# Altium PCB Mirny.PcbDoc (part 4 of 8)
Units mm, origin at the board's own origin, x right, y up, seen from the top; angles counter-clockwise.
Board outline 161.99 x 100.04 mm, 6 copper layers (L1, P2, L3, L4, P5, L6), stack 1.56 mm thick; 832 components, 485 nets, 2438 pads, 1482 vias.
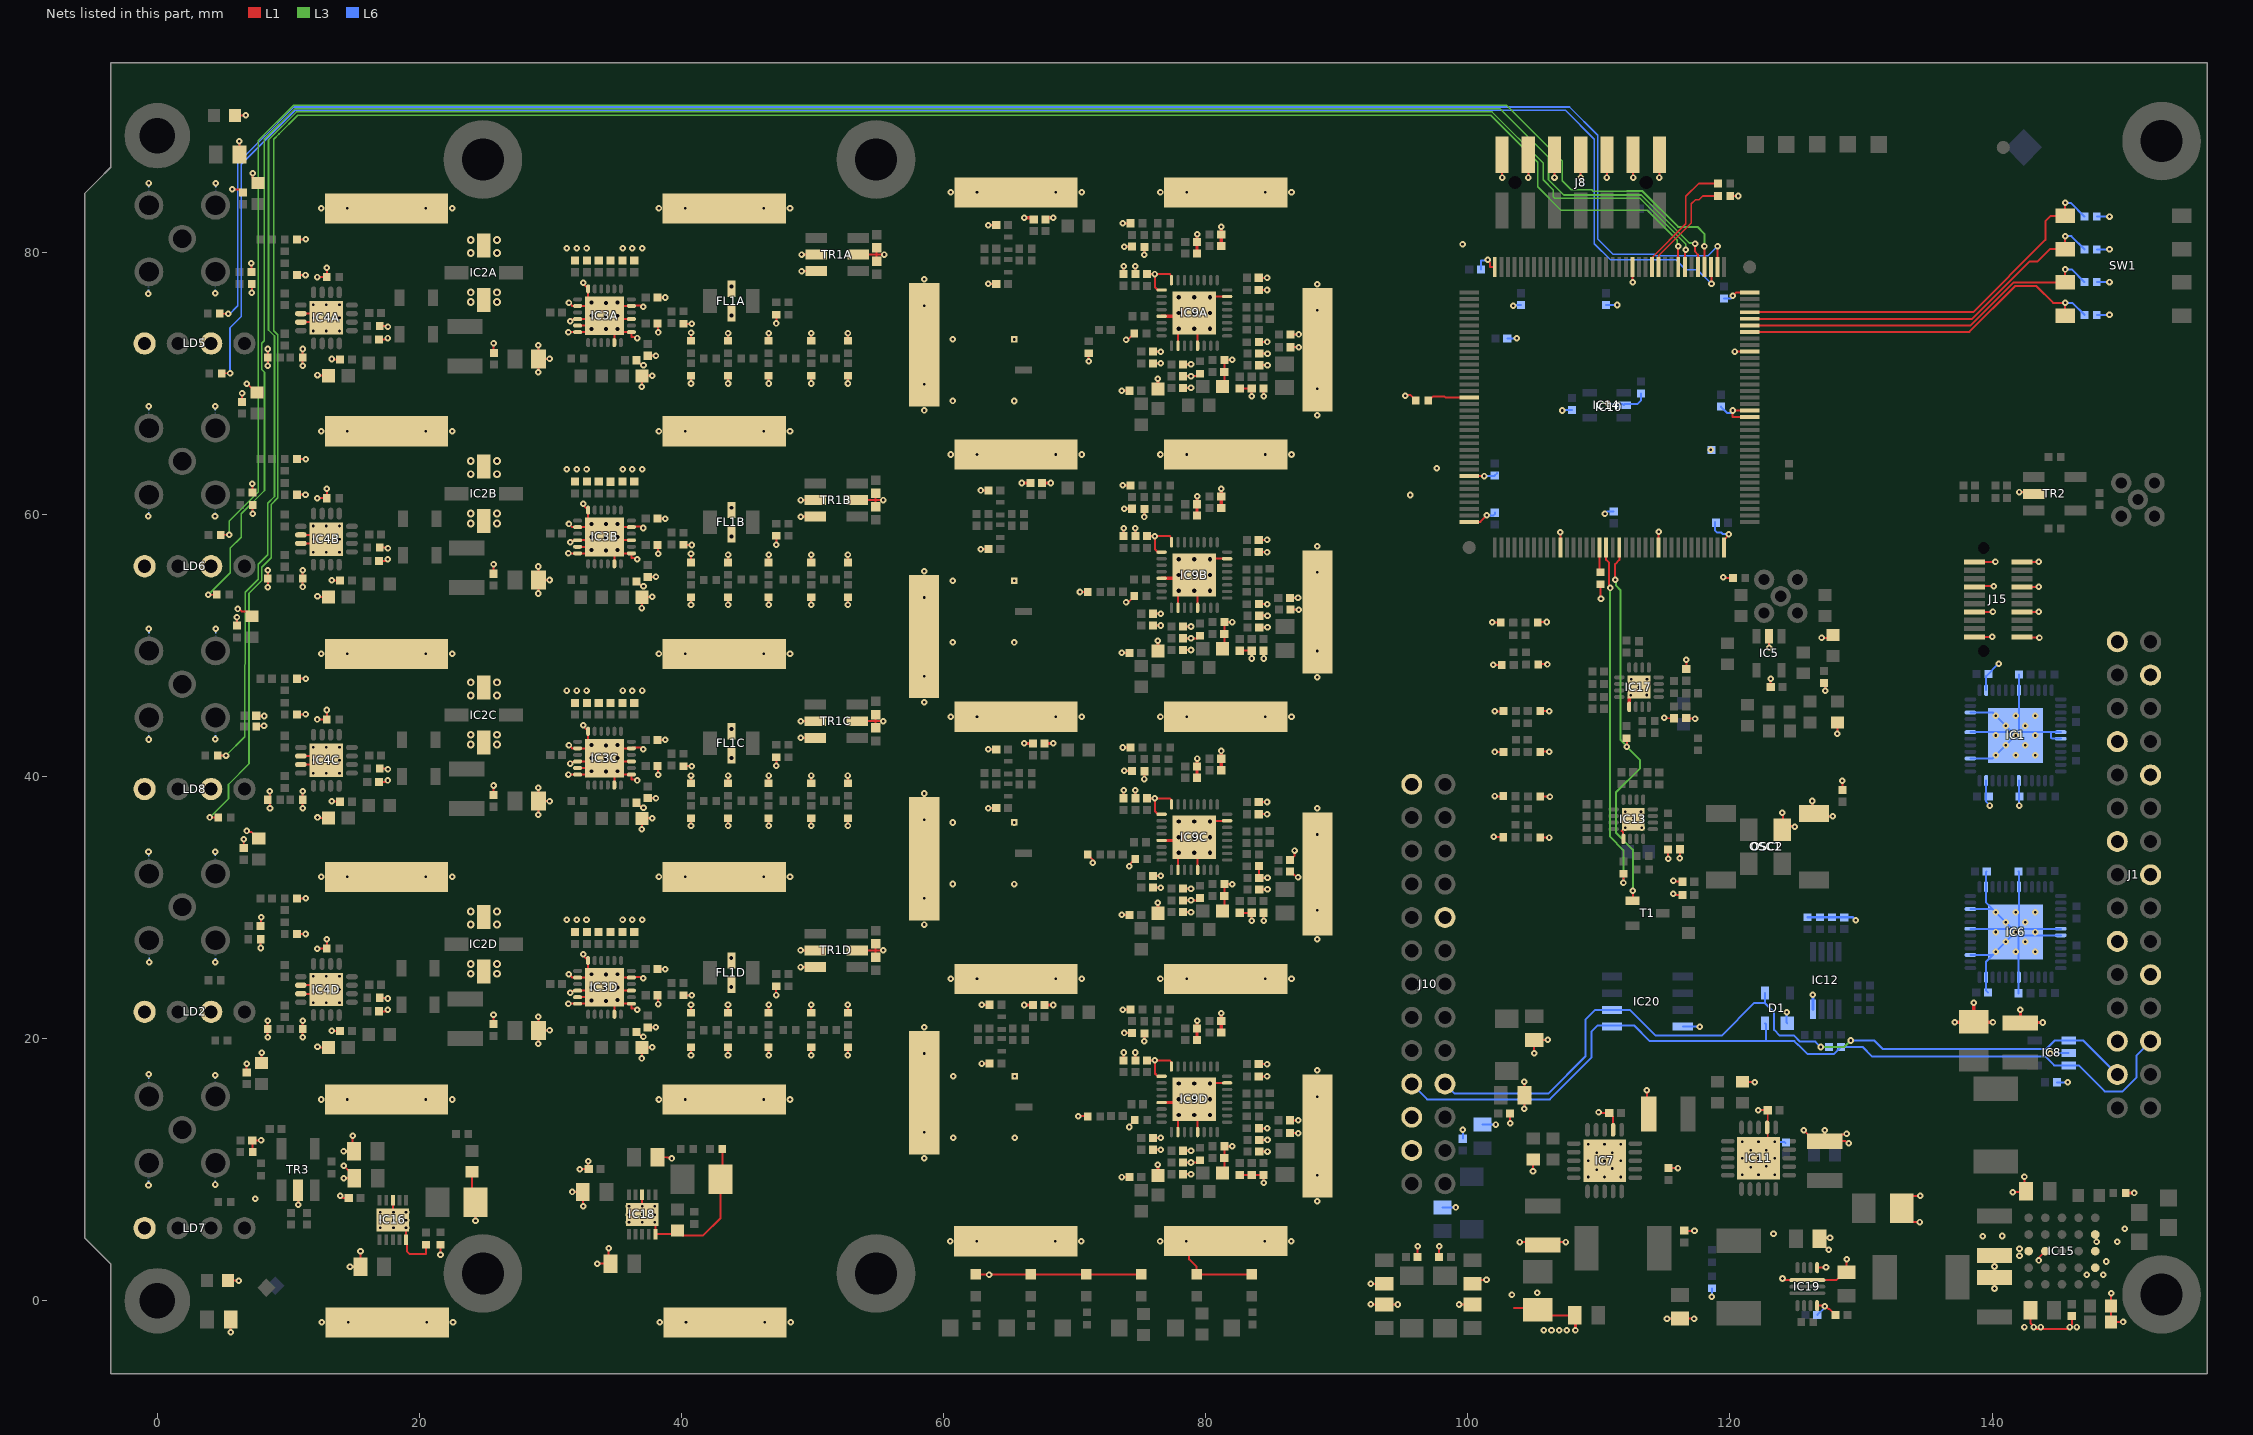
[diagram p8: the nets of this part, all layers, seen from the top]

## Via types
v1: diameter 0.5, hole 0.2, L1 to L6, tented both sides, 1370 vias
v2: diameter 0.6, hole 0.3, L1 to L6, tented both sides, 76 vias
v3: diameter 0.66, hole 0.33, L1 to L6, tented both sides, 36 vias

## Nets (pads, with @x,y where several pads share a name; then routed paths per layer and width w, separated by ;. In a path a pad name is that pad's centre, name@x,y a point inside that pad or via, vN(x,y) a via of type N, cw(c..) or ccw(c..) an arc to the next point about the centre after c; other vN are vias at no path point) (continued)
GND: C1A.1 C1B.1 C1C.1 C1D.1 C2.1 C3.1 C4.1 C5.1 C6.1 C7.1 C8.1 C9.1 C10.1 C11.2 C12A.1 C12B.1 C12C.1 C12D.1 C16A.1 C16B.1 C16C.1 C16D.1 C17A.1 C17B.1 C17C.1 C17D.1 C18A.1 C18B.1 C18C.1 C18D.1 C19A.1 C19B.1 C19C.1 C19D.1 C20A.1 C20B.1 C20C.1 C20D.1 C21A.1 C21B.1 C21C.1 C21D.1 C22A.1 C22B.1 C22C.1 C22D.1 C23A.1 C23B.1 C23C.1 C23D.1 C24A.1 C24B.1 C24C.1 C24D.1 C25.1 C26A.1 C26B.1 C26C.1 C26D.1 C28A.1 C28B.1 C28C.1 C28D.1 C29A.1 C29B.1 C29C.1 C29D.1 C30A.1 C30B.1 C30C.1 C30D.1 C31.2 C32.1 C33.2 C34.1 C35.2 C36A.1 C36B.1 C36C.1 C36D.1 C37A.1 C37B.1 C37C.1 C37D.1 C38A.1 C38B.1 C38C.1 C38D.1 C39A.1 C39B.1 C39C.1 C39D.1 C40A.1 C40B.1 C40C.1 C40D.1 C41.1 C42A.1 C42B.1 C42C.1 C42D.1 C43A.1 C43B.1 C43C.1 C43D.1 C44A.1 C44B.1 C44C.1 C44D.1 C45A.1 C45B.1 C45C.1 C45D.1 C46A.1 C46B.1 C46C.1 C46D.1 C48.1 C50A.2 C50B.2 C50C.2 C50D.2 C51A.2 C51B.2 C51C.2 C51D.2 C52A.1 C52B.1 C52C.1 C52D.1 C53A.1 C53B.1 C53C.1 C53D.1 C54A.1 C54B.1 C54C.1 C54D.1 C55A.1 C55B.1 C55C.1 C55D.1 C56A.1 C56B.1 C56C.1 C56D.1 C57A.1 C57B.1 C57C.1 C57D.1 C58A.1 C58B.1 C58C.1 C58D.1 C59A.1 C59B.1 C59C.1 C59D.1 C60A.1 C60B.1 C60C.1 C60D.1 C63.2 C64.1 C66A.1 C66B.1 C66C.1 C66D.1 C67.1 C68A.1 C68B.1 C68C.1 C68D.1 C69A.1 C69B.1 C69C.1 C69D.1 C70.1 C71A.1 C71B.1 C71C.1 C71D.1 C73.1 C74.2 C75.1 C76.1 C77.1 C78.1 C79.1 C82.2 C83A.1 C83B.1 C83C.1 C83D.1 C84A.1 C84B.1 C84C.1 C84D.1 C92.1 C94.1 C95.1 C96.1 C97.1 C98.1 C100.1 C101.1 C102.1 C103.1 C104.1 C105.1 C106.1 C107.1 C110.1 C111.1 C112.1 C117.2 C118.1 C119.2 C120.2 C123.1 C124.1 C125.1 C126.1 C127.2 C128A.1 C128B.1 C128C.1 C128D.1 C129A.1 C129B.1 C129C.1 C129D.1 C130A.1 C130B.1 C130C.1 C130D.1 C131A.1 C131B.1 C131C.1 C131D.1 C132.1 C133.1 C134.1 C138A.1 C138B.1 C138C.1 C138D.1 C139A.1 C139B.1 C139C.1 C139D.1 C140A.1 C140B.1 C140C.1 C140D.1 C141A.1 C141B.1 C141C.1 C141D.1 C142A.1 C142B.1 C142C.1 C142D.1 C143A.1 C143B.1 C143C.1 C143D.1 C144.2 C145.2 C146.2 C147.1 C148.2 C149.2 C150.2 C151.2 C152.1 C153.1 C154.1 C155.2 C156.2 C157.1 C158.1 C160.2 C165.1 C166.1 C183.1 C184.1 C185.1 C186.1 C187.1 C188.1 C192.1 C193.1 C197.1 C198.1 C199.1 C200.1 C201.1 CLIP1.1 CLIP2.1 CLIP3.1 CLIP4.1 CLIP5.1 CLIP6.1 CLIP7.1 CLIP8.1 CLIP9.1 CLIP10.1 CLIP11.1 CLIP12.1 CLIP13.1 CLIP14.1 CLIP15.1 CLIP16.1 CLIP17.1 CLIP18.1 CLIP19.1 CLIP20.1 CLIP21.1 CLIP22.1 CLIP23.1 CLIP24.1 CLIP25.1 CLIP26.1 CLIP27.1 CLIP28.1 CLIP29.1 CLIP30.1 D1.1 FL1A.2 FL1A.4 FL1B.2 FL1B.4 FL1C.2 FL1C.4 FL1D.2 FL1D.4 IC1.6 IC1.7 IC1.18 IC1.23 IC1.27 IC1.31 IC1.34 IC1.38 IC1.43 IC1.49 IC2A.2 IC2A.4 IC2B.2 IC2B.4 IC2C.2 IC2C.4 IC2D.2 IC2D.4 IC3A.1 IC3A.3 IC3A.5 IC3A.12 IC3A.14 IC3A.16 IC3A.17 IC3A.18 IC3A.23 IC3A.25 IC3B.1 IC3B.3 IC3B.5 IC3B.12 IC3B.14 IC3B.16 IC3B.17 IC3B.18 IC3B.23 IC3B.25 IC3C.1 IC3C.3 IC3C.5 IC3C.12 IC3C.14 IC3C.16 IC3C.17 IC3C.18 IC3C.23 IC3C.25 IC3D.1 IC3D.3 IC3D.5 IC3D.12 IC3D.14 IC3D.16 IC3D.17 IC3D.18 IC3D.23 IC3D.25 IC4A.10 IC4A.11 IC4A.17 IC4B.10 IC4B.11 IC4B.17 IC4C.10 IC4C.11 IC4C.17 IC4D.10 IC4D.11 IC4D.17 IC5.2 IC6.6 IC6.7 IC6.18 IC6.23 IC6.27 IC6.31 IC6.34 IC6.38 IC6.43 IC6.49 IC7.12 IC7.21 IC8.2 IC9A.8 IC9A.9 IC9A.13 IC9A.18 IC9A.21 IC9A.31 IC9A.33 IC9B.8 IC9B.9 IC9B.13 IC9B.18 IC9B.21 IC9B.31 IC9B.33 IC9C.8 IC9C.9 IC9C.13 IC9C.18 IC9C.21 IC9C.31 IC9C.33 IC9D.8 IC9D.9 IC9D.13 IC9D.18 IC9D.21 IC9D.31 IC9D.33 IC10.29 IC10.36 IC10.47 IC10.62 IC10.72 IC10.89 IC10.90 IC10.99 IC10.108 IC10.123 IC10.144 IC11.12 IC11.21 IC12.4 IC13.1 IC13.17 IC14.2 IC15.B5 IC15.C1 IC15.C2 IC15.C5 IC15.D5 IC16.5 IC16.8 IC16.11 IC17.1 IC17.17 IC18.5 IC18.8 IC18.11 IC19.3 IC19.4 IC19.11 IC20.4 J1.1 J1.4 J1.7 J1.10 J1.13 J1.16 J1.19 J1.22 J1.25 J8.1 J8.3 J8.5 J8.7 J8.9 J8.11 J8.13 J9.2 J10.1 J10.10 J10.21 J10.23 J11.2 J12.2 J13.2 J15.1 J15.2 J15.7 J15.8 J15.13 J15.14 J15.19 J15.20 LD2.1 LD2.3 LD3.1 LD4.1 LD5.1 LD5.3 LD6.1 LD6.3 LD7.1 LD8.1 LD8.3 LD9.1 LD10.1 LD11.1 LD12.1 NT1.2 NT2.2 NT3.2 NT4.2 NT5.2 NT6.2 NT7.2 NT8.2 NT9.2 NT10.2 NT11.2 NT12.2 NT13.2 NT14.2 NT15.2 NT16.2 NT17.2 NT18.2 NT19.2 NT20.2 OSC1.2 OSC2.2 R5.1 R15A.2 R15B.2 R15C.2 R15D.2 R19A.1 R19B.1 R19C.1 R19D.1 R20A.1 R20B.1 R20C.1 R20D.1 R22A.1 R22B.1 R22C.1 R22D.1 R31A.1 R31B.1 R31C.1 R31D.1 R32A.1 R32B.1 R32C.1 R32D.1 R39A.1 R39B.1 R39C.1 R39D.1 R40A.1 R40B.1 R40C.1 R40D.1 R41A.1 R41B.1 R41C.1 R41D.1 R42A.1 R42B.1 R42C.1 R42D.1 R45A.1 R45B.1 R45C.1 R45D.1 R48A.1 R48B.1 R48C.1 R48D.1 R49A.2 R49B.2 R49C.2 R49D.2 R52A.1 R52B.1 R52C.1 R52D.1 R54A.1 R54B.1 R54C.1 R54D.1 R55.2 R56A.1 R56B.1 R56C.1 R56D.1 R57A.2 R57B.2 R57C.2 R57D.2 R58A.1 R58B.1 R58C.1 R58D.1 R59A.1 R59B.1 R59C.1 R59D.1 R60.2 R63.1 R64.2 R65.2 R68A.2 R68B.2 R68C.2 R68D.2 R74.2 R75.2 R76.2 R80.1 R82.2 R83.2 R85.2 R86.2 R92.1 R93.1 R94.1 R95.1 R96.2 R97.1 R98.1 R100.1 R103A.2 R103B.2 R103C.2 R103D.2 R104.1 R105.1 R106.1 R107.2 R111.2 R117.1 R119.1 R126.1 R127.1 R128.1 R129.1 R131.1 R132.1 R136.1 R137.2 R138.1 R140.1 R141.1 R142.1 R145.1 R157.1 R159.1 R161.1 R163.1 R165.1 R167.1 TR1A.1 TR1A.2 TR1A.5 TR1B.1 TR1B.2 TR1B.5 TR1C.1 TR1C.2 TR1C.5 TR1D.1 TR1D.2 TR1D.5 TR2.2 TR3.2 | length 692.7
  L1 w0.152: R137.2@5.429,1.544 v1(6.213,1.544) ; v1(5.598,-2.393) C145.2@5.598,-1.428 5.623,-1.402 C145.2@5.598,-1.377 ; v1(5.707,84.808) 6.302,84.808 C25.1@6.535,84.575 ; R96.2@5.957,90.462 v1(6.741,90.462) ; v1(6.077,52.155) 6.077,51.533 C34.1@6.089,51.521 ; v1(6.148,52.792) 6.242,52.792 6.429,52.605 6.857,52.605 R95.1@7.231,52.231 ; C144.2@6.263,87.472 6.288,87.498 6.263,87.523 v1(6.263,88.488) ; C32.1@6.465,68.596 v1(6.465,69.263) ; C41.1@6.595,34.557 v1(6.595,35.225) ; v1(6.819,35.852) 6.885,35.786 7.168,35.786 7.687,35.267 R97.1@7.737,35.267 ; C82.2@6.82,17.43 v1(6.82,18.097) ; v1(6.837,69.984) 6.879,69.984 7.557,69.306 R94.1@7.607,69.306 ; C11.2@7.174,78.508 v1(7.174,79.175) ; v1(7.209,76.918) R64.2@7.209,77.585 ; C31.2@7.252,61.688 v1(7.252,62.355) ; R60.2@7.27,11.362 7.27,12.216 C76.1@7.247,12.238 v1(7.915,12.238) ; v1(7.269,60.046) R65.2@7.269,60.713 ; v1(7.271,86.038) 7.271,85.659 7.645,85.285 R93.1@7.676,85.285 ; C33.2@7.549,44.643 7.568,44.624 v1(8.148,44.624) ; R74.2@7.551,43.834 7.582,43.865 v1(8.142,43.865) ; C35.2@7.875,28.59 7.92,28.635 v1(7.92,29.255) ; v1(7.881,26.919) R75.2@7.881,27.587 ; R92.1@7.961,18.14 v1(7.961,18.924) ; v1(8.426,20.104) R57D.2@8.426,20.743 v1(8.426,21.382) ; v1(8.428,55.748) R57B.2@8.428,55.11 8.428,54.471 v1(8.441,54.458) ; v1(8.428,71.351) R57A.2@8.428,71.989 v1(8.428,72.628) ; v1(8.59,38.891) 8.59,38.393 R57C.2@8.428,38.231 8.597,38.062 v1(8.597,37.578) ; R52B.1@10.661,61.51 v1(11.309,61.51) ; R54B.1@10.661,64.228 v1(11.334,64.228) ; R52A.1@10.661,78.27 v1(11.309,78.27) ; R54A.1@10.661,80.988 v1(11.334,80.988) ; R52D.1@10.662,27.99 v1(11.31,27.99) ; R54D.1@10.662,30.708 v1(11.335,30.708) ; R52C.1@10.662,44.75 v1(11.309,44.75) ; R54C.1@10.662,47.468 v1(11.335,47.468) ; v1(10.76,7.323) TR3.2@10.76,8.435 ; IC4D.11@10.95,23.429 12.575,23.429 v1(12.9,23.754) 12.575,24.079 IC4D.10@10.95,24.079 ; IC4C.11@10.952,40.916 12.577,40.916 v1(12.902,41.241) 12.577,41.566 IC4C.10@10.952,41.566 ; IC4B.11@10.952,57.795 12.577,57.795 v1(12.902,58.12) 12.577,58.445 IC4B.10@10.952,58.445 ; IC4A.11@10.952,74.675 12.577,74.675 v1(12.902,75) 12.577,75.325 IC4A.10@10.952,75.325 ; v1(11.091,20.104) R58D.1@11.091,20.743 v1(11.091,21.382) ; v1(11.093,37.592) R58C.1@11.093,38.231 v1(11.093,38.869) ; v1(11.093,54.471) R58B.1@11.093,55.11 v1(11.093,55.748) ; v1(11.093,71.351) R58A.1@11.093,71.989 v1(11.093,72.628) ; v1(12.215,26.873) R56D.1@12.935,26.873 v1(12.935,27.593) ; v1(12.217,44.36) R56C.1@12.937,44.36 v1(12.937,45.08) ; v1(12.217,61.239) R56B.1@12.937,61.239 v1(12.937,61.959) ; v1(12.217,78.119) R56A.1@12.937,78.119 v1(12.937,78.839) ; v1(12.221,19.393) 12.271,19.343 C52D.1@13.071,19.343 ; v1(12.223,36.881) 12.273,36.831 C52C.1@13.073,36.831 ; v1(12.223,53.76) 12.273,53.71 C52B.1@13.073,53.71 ; v1(12.223,70.639) 12.273,70.589 C52A.1@13.073,70.589 ; v1(13.296,20.618) 13.271,20.593 C53D.1@13.946,20.593 ; v1(13.298,38.106) 13.273,38.081 C53C.1@13.948,38.081 ; v1(13.298,54.985) 13.273,54.96 C53B.1@13.948,54.96 ; v1(13.298,71.864) 13.273,71.839 C53A.1@13.948,71.839 ; v1(13.969,8.018) 14.144,7.843 C79.1@14.604,7.843 ; v1(14.21,11.408) C119.2@15.01,11.408 14.9,11.518 v1(14.9,12.589) ; v1(14.221,9.361) C120.2@15.021,9.361 15.021,9.536 14.572,9.985 14.547,9.985 v1(14.221,10.311) ; v1(14.703,2.603) C117.2@15.503,2.603 v1(15.503,3.775) ; C51D.2@16.921,22.093 v1@17.47,22.093 ; C51C.2@16.923,39.581 v1@17.472,39.581 ; C51B.2@16.923,56.46 v1@17.472,56.46 ; C51A.2@16.923,73.339 v1@17.472,73.339 ; R59D.1@16.97,23.123 17.541,23.123 v1(17.596,23.068) ; R59C.1@16.972,40.611 17.542,40.611 v1(17.598,40.556) ; R59B.1@16.972,57.49 17.542,57.49 v1(17.598,57.435) ; R59A.1@16.972,74.37 17.542,74.37 v1(17.598,74.314) ; IC16.11@17.97,6.175 IC16.8@17.97,7.675 ; IC16.11@18.171,6.175 IC16.11@18.879,5.466 ; IC16.11@18.97,5.376 IC16.5@18.97,4.675 19.045,4.599 19.045,3.775 19.267,3.553 20.474,3.553 20.497,3.576 R104.1@20.497,4.274 ; v1(21.607,3.511) R105.1@21.608,4.286 ; R106.1@23.998,9.84 23.998,7.815 C146.2@24.28,7.534 v1(24.28,6.095) ; C43D.1@25.653,21.109 v1(25.653,21.834) ; C43C.1@25.655,38.597 v1(25.655,39.322) ; C43B.1@25.655,55.476 v1(25.655,56.201) ; v1(25.655,73.08) 25.655,72.355 C43A.1@25.68,72.33 ; C42D.1@29.078,20.634 v1(29.928,20.634) ; C42C.1@29.08,38.122 v1(29.93,38.122) ; C42B.1@29.08,55.001 v1(29.93,55.001) ; C42A.1@29.08,71.88 v1(29.93,71.88) ; v1@31.331,23.558 v1@31.346,23.543 ; v1@31.333,41.046 v1@31.348,41.031 ; v1@31.333,57.925 v1@31.348,57.91 ; v1@31.333,74.804 v1@31.348,74.789 ; v1(31.371,22.668) IC3D.18@32.071,22.668 32.871,22.668 v2(33.121,22.918) IC3D.25@33.371,23.168 ; v1(31.373,40.156) IC3C.18@32.073,40.156 32.873,40.156 v2(33.123,40.406) IC3C.25@33.373,40.656 ; v1(31.373,57.035) IC3B.18@32.073,57.035 IC3B.25@32.873,57.035 ; v1(31.373,73.914) IC3A.18@32.073,73.914 32.873,73.914 v2(33.123,74.164) IC3A.25@33.373,74.414 ; v1(31.408,24.91) 31.65,24.668 IC3D.14@32.071,24.668 32.633,24.668 ; v1(31.41,42.398) 31.652,42.156 IC3C.14@32.073,42.156 32.635,42.156 ; v1(31.41,59.277) 31.652,59.035 IC3B.14@32.073,59.035 32.635,59.035 ; v1(31.41,76.157) 31.652,75.914 IC3A.14@32.073,75.914 32.635,75.914 ; v1(31.495,23.508) 31.381,23.508 v1@31.346,23.543 ; v1(31.497,40.995) 31.383,40.995 v1@31.348,41.031 ; v1(31.497,57.874) 31.383,57.874 v1@31.348,57.91 ; v1(31.497,74.754) 31.383,74.754 v1@31.348,74.789 ; v1(31.671,8.306) C150.2@32.471,8.306 32.527,8.25 32.496,8.219 v1(32.496,7.212) ; IC3B.16@32.048,58.01 31.448,58.01 v1@31.348,57.91 ; IC3D.17@32.071,23.168 IC3D.25@33.371,23.168 ; IC3C.17@32.073,40.656 IC3C.25@33.373,40.656 ; IC3B.17@32.073,57.535 IC3B.25@33.373,57.535 ; IC3B.16@32.073,58.035 IC3B.25@33.273,58.035 ; IC3A.17@32.073,74.414 IC3A.25@33.373,74.414 ; v1(32.246,10.046) C147.1@32.921,10.046 32.871,10.095 v1(32.871,10.642) ; v1(32.496,26.443) 32.496,26.343 IC3D.12@32.871,25.968 32.871,25.168 v2(33.121,24.918) IC3D.25@34.121,23.918 IC3D.25@34.146,23.893 ; v1(32.498,43.931) 32.498,43.831 IC3C.12@32.873,43.456 32.873,42.656 v2(33.123,42.406) IC3C.25@34.123,41.406 IC3C.25@34.148,41.38 ; v1(32.498,60.81) 32.498,60.71 IC3B.12@32.873,60.335 32.873,59.535 v2(33.123,59.285) IC3B.25@34.123,58.285 IC3B.25@34.148,58.259 ; v1(32.498,77.689) 32.498,77.589 IC3A.12@32.873,77.214 32.873,76.414 v2(33.123,76.164) IC3A.25@34.123,75.164 IC3A.25@34.148,75.139 ; IC3B.25@32.648,58.01 33.248,58.01 IC3B.25@33.273,58.035 ; IC3B.25@32.852,59.035 IC3B.25@33.273,59.035 ; IC3B.25@33.273,57.035 IC3B.25@32.873,57.035 ; v1(33.578,2.832) C148.2@34.586,2.832 34.436,2.982 v1(34.436,4.006) ; IC3D.23@34.871,21.868 34.871,23.168 34.221,23.818 v2(34.221,23.893) ; IC3C.23@34.873,39.356 34.873,40.656 34.223,41.306 v2(34.223,41.38) ; IC3B.23@34.873,56.235 34.873,57.535 34.223,58.185 v2(34.223,58.259) ; IC3A.23@34.873,73.114 34.873,74.414 34.223,75.064 v2(34.223,75.139) ; 35.609,22.668 IC3D.1@36.171,22.668 36.171,22.306 36.533,22.306 v1(36.621,22.218) ; 35.609,23.668 IC3D.3@36.171,23.668 ; 35.611,40.156 IC3C.1@36.173,40.156 36.173,39.793 36.535,39.793 v1(36.623,39.706) ; 35.611,41.156 IC3C.3@36.173,41.156 ; 35.611,57.035 IC3B.1@36.173,57.035 36.173,56.672 36.535,56.672 v1(36.623,56.585) ; 35.611,58.035 IC3B.3@36.173,58.035 ; 35.611,73.914 IC3A.1@36.173,73.914 36.173,73.552 36.535,73.552 v1(36.623,73.464) ; 35.611,74.914 IC3A.3@36.173,74.914 ; C69D.1@36.571,20.518 36.596,20.518 v1@36.971,20.143 ; C69C.1@36.573,38.006 36.598,38.006 v1@36.973,37.631 ; C69B.1@36.573,54.885 36.598,54.885 v1@36.973,54.51 ; C69A.1@36.573,71.764 36.598,71.764 v1@36.973,71.389 ; v1(36.971,18.493) C66D.1@36.971,19.318 36.996,19.343 v1(37.771,19.343) ; v1(36.973,35.981) C66C.1@36.973,36.806 36.998,36.831 v1(37.773,36.831) ; v1(36.973,52.86) C66B.1@36.973,53.685 36.998,53.71 v1(37.773,53.71) ; v1(36.973,69.739) C66A.1@36.973,70.564 36.998,70.589 v1(37.773,70.589) ; IC18.8@37,8.097 v1(37,6.597) 37.201,6.597 38,5.798 IC18.5@38,5.097 39.418,5.097 R132.1@39.696,5.375 40.074,4.997 41.657,4.997 42.975,6.315 C151.2@42.975,9.261 43.111,9.396 R131.1@43.111,11.591 ; v1@37.022,20.092 v1@36.971,20.143 ; v1@37.024,37.579 v1@36.973,37.631 ; v1@37.024,54.458 v1@36.973,54.51 ; v1@37.024,71.338 v1@36.973,71.389 ; v1(37.065,24.6) 36.947,24.718 36.221,24.718 IC3D.5@36.171,24.668 34.871,24.668 34.221,24.018 v2(34.221,23.893) ; v1(37.067,42.088) 36.949,42.206 36.223,42.206 IC3C.5@36.173,42.156 34.873,42.156 34.223,41.505 v2(34.223,41.38) ; v1(37.067,58.967) 36.949,59.085 36.223,59.085 IC3B.5@36.173,59.035 34.873,59.035 34.223,58.384 v2(34.223,58.259) ; v1(37.067,75.847) 36.949,75.964 36.223,75.964 IC3A.5@36.173,75.914 34.873,75.914 34.223,75.264 v2(34.223,75.139) ; v1(37.096,20.143) v1@36.971,20.143 ; v1(37.098,37.631) v1@36.973,37.631 ; v1(37.098,54.51) v1@36.973,54.51 ; v1(37.098,71.389) v1@36.973,71.389 ; C68D.1@37.421,20.868 v1(38.046,20.868) ; C68C.1@37.423,38.356 v1(38.048,38.356) ; C68B.1@37.423,55.235 v1(38.048,55.235) ; C68A.1@37.423,72.114 v1(38.048,72.114) ; C149.2@38.171,10.954 38.896,10.954 38.922,10.927 39.184,10.927 v1(39.251,10.861) ; C71D.1@38.171,23.318 38.221,23.268 v1(38.221,22.643) ; C54D.1@38.171,25.318 38.753,25.318 v1(38.759,25.311) ; C71C.1@38.173,40.806 38.223,40.756 v1(38.223,40.131) ; C54C.1@38.173,42.806 38.755,42.806 v1(38.761,42.799) ; C71B.1@38.173,57.685 38.223,57.635 v1(38.223,57.01) ; C54B.1@38.173,59.685 38.755,59.685 v1(38.761,59.678) ; C71A.1@38.173,74.564 38.223,74.514 v1(38.223,73.889) ; C54A.1@38.173,76.564 38.755,76.564 v1(38.761,76.557) ; R48D.1@40.191,23.318 40.204,23.305 v1(40.766,23.305) ; R48C.1@40.193,40.806 40.206,40.792 v1(40.768,40.792) ; R48B.1@40.193,57.685 40.206,57.671 v1(40.768,57.671) ; R48A.1@40.193,74.564 40.206,74.551 v1(40.768,74.551) ; v1(40.721,18.75) R45D.1@40.721,19.343 ; R32D.1@40.721,21.993 v1(40.721,22.586) ; v1(40.723,36.238) R45C.1@40.723,36.83 ; R32C.1@40.723,39.488 v1(40.723,40.081) ; v1(40.723,53.117) R45B.1@40.723,53.709 ; v1(40.723,69.996) R45A.1@40.723,70.589 ; R32B.1@40.725,56.407 v1(40.725,57) ; R32A.1@40.726,73.264 v1(40.726,73.857) ; v1(43.546,18.75) R42D.1@43.546,19.343 ; R31D.1@43.546,21.993 v1(43.546,22.586) ; v1(43.548,36.238) R42C.1@43.548,36.83 ; R31C.1@43.548,39.488 v1(43.548,40.081) ; v1(43.548,53.117) R42B.1@43.548,53.709 ; R31B.1@43.548,56.335 v1(43.548,56.927) ; v1(43.548,69.996) R42A.1@43.548,70.589 ; R31A.1@43.548,73.247 v1(43.548,73.84) ; v1(46.646,18.75) R41D.1@46.646,19.343 ; R22D.1@46.646,21.993 v1(46.646,22.586) ; v1(46.648,36.238) R41C.1@46.648,36.83 ; R22C.1@46.648,39.488 v1(46.648,40.081) ; v1(46.648,53.117) R41B.1@46.648,53.709 ; R22B.1@46.648,56.335 v1(46.648,56.927) ; v1(46.648,69.996) R41A.1@46.648,70.589 ; R22A.1@46.648,73.247 v1(46.648,73.84) ; v1(47.218,23.33) 47.227,23.339 R49D.2@47.227,23.92 ; v1(47.22,40.818) 47.229,40.827 R49C.2@47.229,41.408 ; v1(47.22,74.576) 47.229,74.586 R49A.2@47.229,75.166 ; v1@47.229,57.706 R49B.2@47.229,58.287 ; v1(49.082,25.466) TR1D.1@50.215,25.466 ; v1(49.082,26.736) TR1D.2@50.215,26.736 ; v1(49.084,42.954) TR1C.1@50.217,42.954 ; v1(49.084,44.224) TR1C.2@50.217,44.224 ; v1(49.084,59.833) TR1B.1@50.217,59.833 ; v1(49.084,61.103) TR1B.2@50.217,61.103 ; v1(49.158,78.564) TR1A.1@50.291,78.564 ; v1(49.158,79.834) TR1A.2@50.291,79.834 ; v1(49.896,18.75) R40D.1@49.896,19.343 ; R20D.1@49.896,21.993 v1(49.896,22.586) ; v1(49.898,36.238) R40C.1@49.898,36.83 ; R20C.1@49.898,39.488 v1(49.898,40.081) ; v1(49.898,53.117) R40B.1@49.898,53.709 ; R20B.1@49.898,56.335 v1(49.898,56.927) ; v1(49.898,69.996) R40A.1@49.898,70.589 ; R20A.1@49.898,73.247 v1(49.898,73.84) ; R19C.1@52.696,39.488 v1(52.696,40.081) ; v1(52.696,18.75) R39D.1@52.696,19.343 ; R19D.1@52.696,21.993 v1(52.696,22.586) ; v1(52.698,36.238) R39C.1@52.698,36.83 ; v1(52.698,53.117) R39B.1@52.698,53.709 ; R19B.1@52.698,56.335 v1(52.698,56.927) ; v1(52.698,69.996) R39A.1@52.698,70.589 ; R19A.1@52.698,73.247 v1(52.698,73.84) ; TR1D.5@53.395,26.736 54.805,26.736 ; TR1C.5@53.397,44.224 54.807,44.224 ; TR1B.5@53.397,61.103 54.807,61.103 ; TR1A.5@53.471,79.834 54.881,79.834 ; C45D.1@54.805,26.226 54.805,26.736 ; C50D.2@54.805,27.246 54.805,26.736 ; C45C.1@54.807,43.714 54.807,44.224 ; C50C.2@54.807,44.734 54.807,44.224 ; C45B.1@54.807,60.593 54.807,61.103 ; C50B.2@54.807,61.613 54.807,61.103 ; C45A.1@54.881,79.324 54.881,79.834 ; C50A.2@54.881,80.344 54.881,79.834 ; v1(55.395,26.736) 54.805,26.736 ; v1(55.397,44.224) 54.807,44.224 ; v1(55.397,61.103) 54.807,61.103 ; v1(55.471,79.834) 54.881,79.834 ; LD10.1@62.444,2.01 LD11.1@66.66,2.01 LD4.1@70.876,2.01 LD9.1@75.092,2.01 ; v1(62.821,57.353) C44B.1@63.416,57.353 ; v1(62.821,61.833) C1B.1@63.416,61.833 ; v1(62.909,18.105) C44D.1@63.504,18.105 ; v1(62.909,22.586) C1D.1@63.504,22.586 ; v1(63.417,37.597) C44C.1@64.012,37.597 ; v1(63.417,42.078) C1C.1@64.012,42.078 ; v1(63.417,77.597) C44A.1@64.012,77.597 ; v1(63.417,82.078) C1A.1@64.012,82.078 ; v1(70.282,14.092) 70.922,14.092 70.946,14.116 R68D.2@70.998,14.064 ; v1(70.401,54.087) R68B.2@70.998,54.087 ; R68C.2@70.998,34.064 71.468,33.594 71.38,33.505 v1(71.38,33.439) ; v1(71.073,71.696) R68A.2@71.073,72.293 ; v1(73.58,9.443) C38D.1@74.177,9.443 ; v1(73.58,29.443) C38C.1@74.177,29.443 ; v1(73.58,49.444) C38B.1@74.177,49.444 ; v1(73.58,69.444) C38A.1@74.177,69.444 ; v1(73.667,22.221) C18D.1@74.262,22.221 ; v1(73.667,42.221) C18C.1@74.262,42.221 ; v1(73.667,62.221) C18B.1@74.262,62.221 ; v1(73.667,82.221) C18A.1@74.262,82.221 ; C140D.1@73.738,18.349 v1(73.738,18.946) ; C140C.1@73.738,38.349 v1(73.738,38.946) ; C140B.1@73.738,58.349 v1(73.738,58.946) ; C140A.1@73.738,78.349 v1(73.738,78.946) ; v1(73.777,20.438) C17D.1@74.372,20.438 ; v1(73.777,40.438) C17C.1@74.372,40.438 ; v1(73.777,60.438) C17B.1@74.372,60.438 ; v1(73.777,80.438) C17A.1@74.372,80.438 ; v1(73.917,53.306) 74.098,53.306 74.538,53.746 R103B.2@74.538,53.766 ; v1(73.917,73.336) 73.941,73.359 74.082,73.359 R103A.2@74.538,73.814 ; v1(74.177,13.26) 74.244,13.327 74.244,13.422 74.585,13.763 R103D.2@74.585,13.783 ; v1(74.177,33.149) 74.243,33.216 74.243,33.341 74.607,33.705 R103C.2@74.607,33.725 ; C141D.1@74.63,18.349 v1(74.63,18.946) ; C141C.1@74.63,38.349 v1(74.63,38.946) ; C141B.1@74.63,58.349 v1(74.63,58.946) ; C141A.1@74.63,78.349 v1(74.63,78.946) ; v1(75.319,19.812) C16D.1@75.319,20.407 ; v1(75.319,39.812) C16C.1@75.319,40.407 ; v1(75.319,59.812) C16B.1@75.319,60.407 ; v1(75.319,79.812) C16A.1@75.319,80.407 ; C142D.1@75.522,18.349 C142D.1@75.525,18.346 v1(76.122,18.346) v1@76.127,18.341 ; C142C.1@75.522,38.349 C142C.1@75.525,38.346 v1(76.122,38.346) v1@76.127,38.341 ; C142B.1@75.522,58.349 C142B.1@75.525,58.346 v1(76.122,58.346) v1@76.127,58.341 ; C142A.1@75.522,78.349 C142A.1@75.525,78.346 v1(76.122,78.346) v1@76.127,78.341 ; C39D.1@75.977,11.529 v1(76.574,11.529) ; C39C.1@75.977,31.529 v1(76.574,31.529) ; C39B.1@75.977,51.529 v1(76.574,51.529) ; C39A.1@75.977,71.529 v1(76.574,71.529) ; C40D.1@75.978,12.428 v1(76.575,12.428) ; C40C.1@75.978,32.428 v1(76.575,32.428) ; C40B.1@75.978,52.428 v1(76.575,52.428) ; C40A.1@75.978,72.428 v1(76.575,72.428) ; IC9D.9@76.63,17.128 76.342,17.128 76.127,17.343 v1@76.127,18.341 ; IC9C.9@76.63,37.128 76.342,37.128 76.127,37.343 v1@76.127,38.341 ; IC9B.9@76.63,57.128 76.342,57.128 76.127,57.343 v1@76.127,58.341 ; IC9A.9@76.63,77.128 76.342,77.128 76.127,77.343 v1@76.127,78.341 ; IC9D.8@77.38,17.878 77.38,18.216 77.255,18.341 v1@76.127,18.341 ; IC9C.8@77.38,37.878 77.38,38.216 77.255,38.341 v1@76.127,38.341 ; IC9B.8@77.38,57.878 77.38,58.216 77.255,58.341 v1@76.127,58.341 ; IC9A.8@77.38,77.878 77.38,78.216 77.255,78.341 v1@76.127,78.341 ; IC9D.18@77.88,12.878 77.88,14.128 v3(77.93,14.178) IC9D.33@78.88,15.128 ; IC9C.18@77.88,32.878 77.88,34.128 v3(77.93,34.178) IC9C.33@78.88,35.128 ; IC9B.18@77.88,52.878 77.88,54.128 v3(77.93,54.178) IC9B.33@78.88,55.128 ; IC9A.18@77.88,72.878 77.88,74.128 v3(77.93,74.178) IC9A.33@78.88,75.128 ; C30D.1@78.276,9.66 v1(78.873,9.66) ; C128D.1@78.276,10.552 v1(78.873,10.552) 79.382,10.552 R15D.2@79.569,10.739 ; C129D.1@78.276,11.452 v1(78.873,11.452) ; C30C.1@78.276,29.66 v1(78.873,29.66) ; C128C.1@78.276,30.552 v1(78.873,30.552) 79.382,30.552 R15C.2@79.569,30.739 ; C129C.1@78.276,31.452 v1(78.873,31.452) ; C30B.1@78.276,49.66 v1(78.873,49.66) ; C128B.1@78.276,50.552 v1(78.873,50.552) 79.382,50.552 R15B.2@79.569,50.739 ; C129B.1@78.276,51.452 v1(78.873,51.452) ; C30A.1@78.276,69.66 v1(78.873,69.66) ; C128A.1@78.276,70.552 v1(78.873,70.552) 79.382,70.552 R15A.2@79.569,70.739 ; C129A.1@78.276,71.452 v1(78.873,71.452) ; IC9D.21@79.38,12.878 79.38,15.128 v3(79.13,15.378) v3(80.33,16.578) 80.38,16.628 IC9D.31@81.63,16.628 IC9D.31@81.632,16.63 ; IC9C.21@79.38,32.878 79.38,35.128 v3(79.13,35.378) v3(80.33,36.578) 80.38,36.628 IC9C.31@81.63,36.628 IC9C.31@81.632,36.63 ; IC9B.21@79.38,52.878 79.38,55.128 v3(79.13,55.378) v3(80.33,56.578) 80.38,56.628 IC9B.31@81.63,56.628 IC9B.31@81.632,56.63 ; IC9A.21@79.38,72.878 79.38,75.128 v3(79.13,75.378) v3(80.33,76.578) 80.38,76.628 IC9A.31@81.63,76.628 IC9A.31@81.632,76.63 ; C84D.1@81.271,9.754 81.415,9.898 C24D.1@81.415,10.885 81.415,11.786 C23D.1@81.422,11.793 v1(82.019,11.793) ; C84C.1@81.271,29.754 81.415,29.898 C24C.1@81.415,30.885 81.415,31.786 C23C.1@81.422,31.793 v1(82.019,31.793) ; C84B.1@81.271,49.754 81.415,49.898 C24B.1@81.415,50.885 81.415,51.786 C23B.1@81.422,51.793 v1(82.019,51.793) ; C84A.1@81.271,69.754 81.415,69.898 C24A.1@81.415,70.885 81.415,71.786 C23A.1@81.422,71.793 v1(82.019,71.793) ; CLIP21.1@81.528,4.567 79.8,4.567 78.726,3.493 78.726,3.167 79.308,2.585 LD12.1@79.308,2.01 LD3.1@83.524,2.01 ; C21D.1@82.597,9.607 C22D.1@83.506,9.607 C139D.1@84.415,9.607 v1(84.415,9.01) ; C21C.1@82.597,29.607 C22C.1@83.506,29.607 v1(83.506,29.01) ; C21B.1@82.597,49.607 C22B.1@83.506,49.607 v1(83.506,49.01) ; C21A.1@82.597,69.607 C22A.1@83.506,69.607 v1(83.506,69.01) ; C138D.1@84.048,17.128 v1(84.677,17.128) ; C19D.1@84.048,18.063 v1(84.677,18.063) ; C138C.1@84.048,37.128 v1(84.677,37.128) ; C19C.1@84.048,38.063 v1(84.677,38.063) ; C138B.1@84.048,57.128 v1(84.677,57.128) ; C19B.1@84.048,58.063 v1(84.677,58.063) ; C138A.1@84.048,77.128 v1(84.677,77.128) ; C19A.1@84.048,78.063 v1(84.677,78.063) ; C29D.1@84.078,13.164 v1(84.707,13.164) ; C29C.1@84.078,33.164 84.078,32.28 C83C.1@84.083,32.274 v1(84.713,32.274) ; C29B.1@84.078,53.164 v1(84.707,53.164) ; C29A.1@84.078,73.164 v1(84.707,73.164) ; C20D.1@84.083,11.389 v1(84.713,11.389) ; C83D.1@84.083,12.274 v1(84.713,12.274) ; C20C.1@84.083,31.389 v1(84.713,31.389) ; C20B.1@84.083,51.389 v1(84.713,51.389) ; C83B.1@84.083,52.274 v1(84.713,52.274) ; C20A.1@84.083,71.389 v1(84.713,71.389) ; C83A.1@84.083,72.274 v1(84.713,72.274) ; v1(84.415,29.01) C139C.1@84.415,29.607 ; v1(84.415,49.01) C139B.1@84.415,49.607 ; v1(84.415,69.01) C139A.1@84.415,69.607 ; C26B.1@86.428,53.639 v1(87.04,53.639) ; C28D.1@86.443,12.797 v1(87.056,12.797) ; C26D.1@86.443,13.776 v1(87.056,13.776) ; C28C.1@86.443,32.766 86.677,32.532 86.728,32.532 86.882,32.379 86.976,32.379 v1(87.042,32.312) ; C26C.1@86.443,33.639 86.776,33.972 v1(86.776,34.357) ; C26C.1@86.443,33.682 C26C.1@86.444,33.683 ; C28B.1@86.477,52.739 v1(87.089,52.739) ; C28A.1@86.477,72.763 v1(87.089,72.763) ; C26A.1@86.477,73.736 v1(87.089,73.736) ; v1(92.597,-0.271) 93.611,-0.271 C123.1@93.623,-0.284 v1(94.649,-0.284) ; v1(92.597,1.298) C124.1@93.623,1.298 ; v1(95.238,69.063) 95.31,69.135 95.606,69.135 R142.1@96.038,68.704 ; C118.1@96.169,3.341 v1(96.169,4.157) ; C132.1@97.809,3.341 v1(97.809,4.157) ; v1(99.328,-0.284) C134.1@100.354,-0.284 ; IC10.36@100.104,59.434 100.956,59.434 101.454,59.932 v1(101.454,59.934) ; IC10.29@100.104,62.934 v1(101.255,62.934) ; C133.1@100.354,1.298 100.654,1.598 v1(101.423,1.598) ; v1(101.504,79.434) 101.704,79.234 101.704,78.884 IC10.144@102.054,78.884 ; v1(101.862,51.787) 101.882,51.767 R140.1@102.524,51.767 ; v1@101.946,48.528 R165.1@102.588,48.528 ; v1@102.009,35.384 R157.1@102.651,35.384 ; v1@102.073,38.495 R5.1@102.715,38.495 ; v1@102.073,41.861 R161.1@102.715,41.861 ; v1@102.073,44.972 R117.1@102.715,44.972 ; v1(102.611,85.711) J8.13@102.611,87.449 ; v1(103.229,13.56) C103.1@103.229,14.283 ; 103.533,-0.562 C156.2@105.294,-0.562 ; v1(103.97,4.484) 105.488,4.484 